# KiCad board poly_kb_molecule_4x5.kicad_pcb (continued)
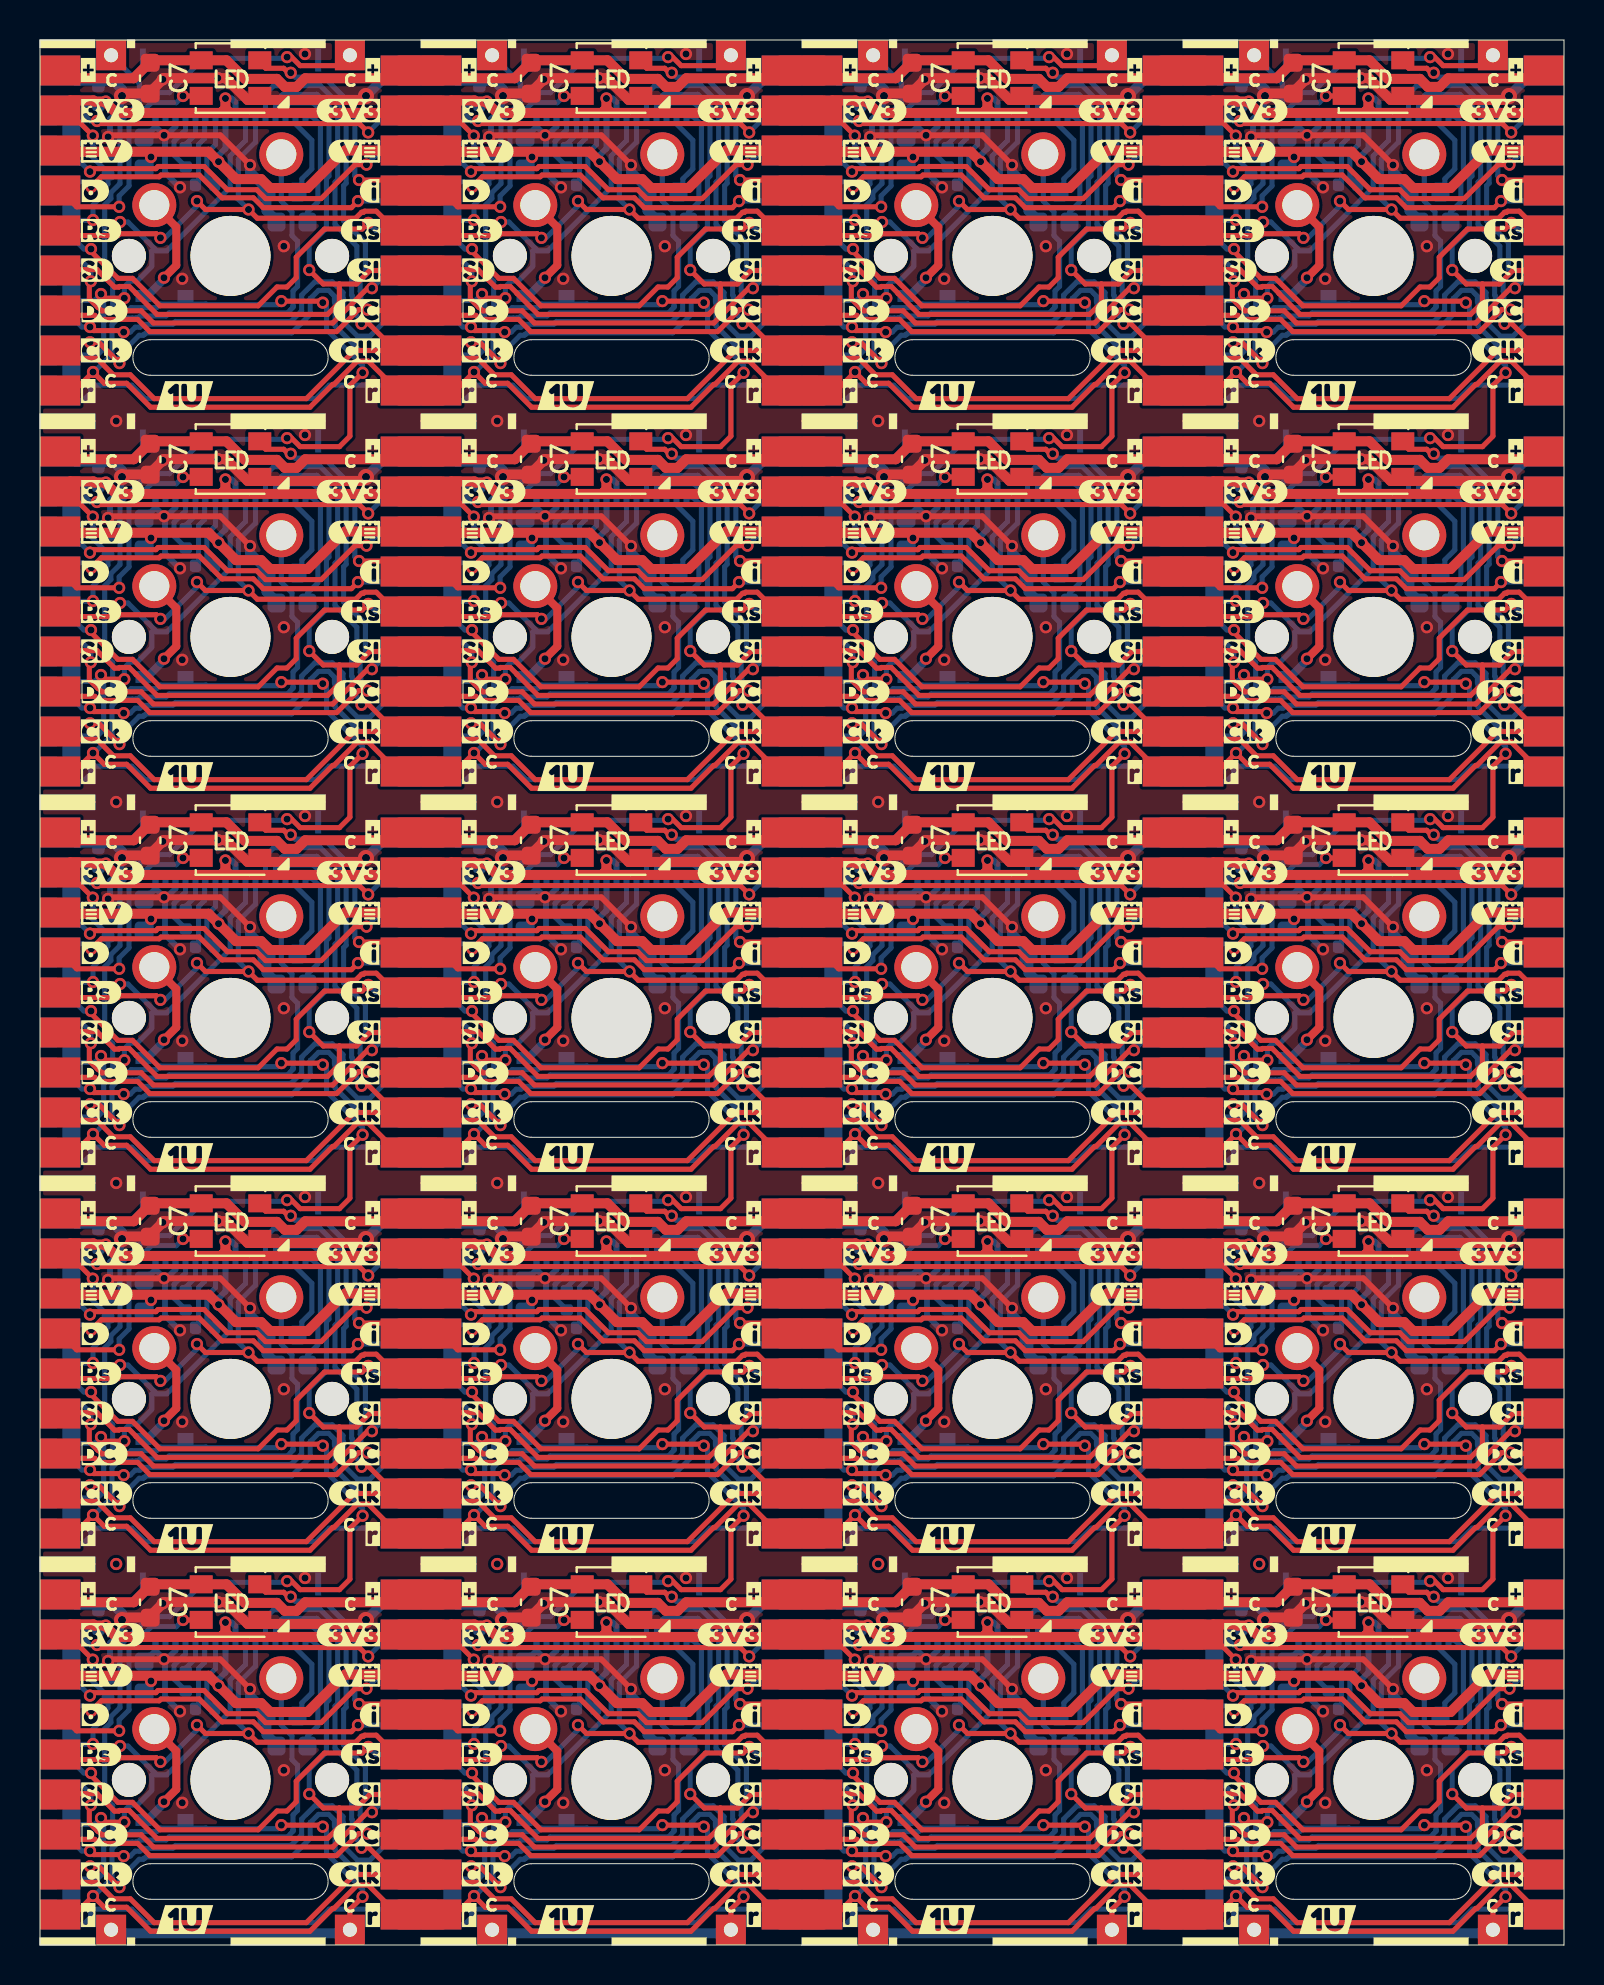
[diagram p0: board, top side]
## Placement (name value [footprint] x y rotation side) (continued)
kibuzzard-61EFA8F1#15  G***  [kibuzzard-61EFA8F1]  72.87 22.58 0 top
kibuzzard-61EFA8F1#16  G***  [kibuzzard-61EFA8F1]  53.82 3.53 0 top
kibuzzard-61EFA8F1#17  G***  [kibuzzard-61EFA8F1]  34.77 22.58 0 top
kibuzzard-61EFA8F1#18  G***  [kibuzzard-61EFA8F1]  72.87 3.53 0 top
kibuzzard-61EFA8F1#19  G***  [kibuzzard-61EFA8F1]  15.72 41.63 0 top
kibuzzard-61EFA8F1#20  G***  [kibuzzard-61EFA8F1]  15.72 60.68 0 top
kibuzzard-61EFAA6D  G***  [kibuzzard-61EFAA6D]  73.18 85.72 0 top
kibuzzard-61EFAA6D#2  G***  [kibuzzard-61EFAA6D]  16.03 28.58 0 top
kibuzzard-61EFAA6D#3  G***  [kibuzzard-61EFAA6D]  54.13 28.58 0 top
kibuzzard-61EFAA6D#4  G***  [kibuzzard-61EFAA6D]  54.13 66.67 0 top
kibuzzard-61EFAA6D#5  G***  [kibuzzard-61EFAA6D]  35.08 9.53 0 top
kibuzzard-61EFAA6D#6  G***  [kibuzzard-61EFAA6D]  16.03 47.62 0 top
kibuzzard-61EFAA6D#7  G***  [kibuzzard-61EFAA6D]  73.18 66.67 0 top
kibuzzard-61EFAA6D#8  G***  [kibuzzard-61EFAA6D]  54.13 9.53 0 top
kibuzzard-61EFAA6D#9  G***  [kibuzzard-61EFAA6D]  54.13 47.62 0 top
kibuzzard-61EFAA6D#10  G***  [kibuzzard-61EFAA6D]  35.08 28.58 0 top
kibuzzard-61EFAA6D#11  G***  [kibuzzard-61EFAA6D]  73.18 47.62 0 top
kibuzzard-61EFAA6D#12  G***  [kibuzzard-61EFAA6D]  73.18 9.53 0 top
kibuzzard-61EFAA6D#13  G***  [kibuzzard-61EFAA6D]  16.03 9.53 0 top
kibuzzard-61EFAA6D#14  G***  [kibuzzard-61EFAA6D]  35.08 66.67 0 top
kibuzzard-61EFAA6D#15  G***  [kibuzzard-61EFAA6D]  73.18 28.58 0 top
kibuzzard-61EFAA6D#16  G***  [kibuzzard-61EFAA6D]  35.08 85.72 0 top
kibuzzard-61EFAA6D#17  G***  [kibuzzard-61EFAA6D]  35.08 47.62 0 top
kibuzzard-61EFAA6D#18  G***  [kibuzzard-61EFAA6D]  54.13 85.72 0 top
kibuzzard-61EFAA6D#19  G***  [kibuzzard-61EFAA6D]  16.03 66.67 0 top
kibuzzard-61EFAA6D#20  G***  [kibuzzard-61EFAA6D]  16.03 85.72 0 top
kibuzzard-61EFABBF  G***  [kibuzzard-61EFABBF]  15.82 24.56 0 top
kibuzzard-61EFABBF#2  G***  [kibuzzard-61EFABBF]  34.87 81.71 0 top
kibuzzard-61EFABBF#3  G***  [kibuzzard-61EFABBF]  34.87 5.51 0 top
kibuzzard-61EFABBF#4  G***  [kibuzzard-61EFABBF]  53.92 43.61 0 top
kibuzzard-61EFABBF#5  G***  [kibuzzard-61EFABBF]  72.97 5.51 0 top
kibuzzard-61EFABBF#6  G***  [kibuzzard-61EFABBF]  15.82 43.61 0 top
kibuzzard-61EFABBF#7  G***  [kibuzzard-61EFABBF]  34.87 24.56 0 top
kibuzzard-61EFABBF#8  G***  [kibuzzard-61EFABBF]  53.92 81.71 0 top
kibuzzard-61EFABBF#9  G***  [kibuzzard-61EFABBF]  15.82 62.66 0 top
kibuzzard-61EFABBF#10  G***  [kibuzzard-61EFABBF]  72.97 62.66 0 top
kibuzzard-61EFABBF#11  G***  [kibuzzard-61EFABBF]  15.82 5.51 0 top
kibuzzard-61EFABBF#12  G***  [kibuzzard-61EFABBF]  72.97 43.61 0 top
kibuzzard-61EFABBF#13  G***  [kibuzzard-61EFABBF]  53.92 62.66 0 top
kibuzzard-61EFABBF#14  G***  [kibuzzard-61EFABBF]  15.82 81.71 0 top
kibuzzard-61EFABBF#15  G***  [kibuzzard-61EFABBF]  53.92 5.51 0 top
kibuzzard-61EFABBF#16  G***  [kibuzzard-61EFABBF]  34.87 62.66 0 top
kibuzzard-61EFABBF#17  G***  [kibuzzard-61EFABBF]  34.87 43.61 0 top
kibuzzard-61EFABBF#18  G***  [kibuzzard-61EFABBF]  72.97 81.71 0 top
kibuzzard-61EFABBF#19  G***  [kibuzzard-61EFABBF]  53.92 24.56 0 top
kibuzzard-61EFABBF#20  G***  [kibuzzard-61EFABBF]  72.97 24.56 0 top
kibuzzard-61EFACF9  G***  [kibuzzard-61EFACF9]  34.26 13.49 0 top
kibuzzard-61EFACF9#2  G***  [kibuzzard-61EFACF9]  53.31 51.59 0 top
kibuzzard-61EFACF9#3  G***  [kibuzzard-61EFACF9]  53.31 89.69 0 top
kibuzzard-61EFACF9#4  G***  [kibuzzard-61EFACF9]  53.31 32.54 0 top
kibuzzard-61EFACF9#5  G***  [kibuzzard-61EFACF9]  34.26 70.64 0 top
kibuzzard-61EFACF9#6  G***  [kibuzzard-61EFACF9]  72.36 32.54 0 top
kibuzzard-61EFACF9#7  G***  [kibuzzard-61EFACF9]  15.21 13.49 0 top
kibuzzard-61EFACF9#8  G***  [kibuzzard-61EFACF9]  72.36 13.49 0 top
kibuzzard-61EFACF9#9  G***  [kibuzzard-61EFACF9]  34.26 89.69 0 top
kibuzzard-61EFACF9#10  G***  [kibuzzard-61EFACF9]  34.26 51.59 0 top
kibuzzard-61EFACF9#11  G***  [kibuzzard-61EFACF9]  72.36 51.59 0 top
kibuzzard-61EFACF9#12  G***  [kibuzzard-61EFACF9]  15.21 89.69 0 top
kibuzzard-61EFACF9#13  G***  [kibuzzard-61EFACF9]  15.21 51.59 0 top
kibuzzard-61EFACF9#14  G***  [kibuzzard-61EFACF9]  15.21 32.54 0 top
kibuzzard-61EFACF9#15  G***  [kibuzzard-61EFACF9]  15.21 70.64 0 top
kibuzzard-61EFACF9#16  G***  [kibuzzard-61EFACF9]  53.31 13.49 0 top
kibuzzard-61EFACF9#17  G***  [kibuzzard-61EFACF9]  72.36 70.64 0 top
kibuzzard-61EFACF9#18  G***  [kibuzzard-61EFACF9]  53.31 70.64 0 top
kibuzzard-61EFACF9#19  G***  [kibuzzard-61EFACF9]  72.36 89.69 0 top
kibuzzard-61EFACF9#20  G***  [kibuzzard-61EFACF9]  34.26 32.54 0 top
kibuzzard-61EFBE2C  G***  [kibuzzard-61EFBE2C]  41.33 43.61 0 top
kibuzzard-61EFBE2C#2  G***  [kibuzzard-61EFBE2C]  3.23 62.66 0 top
kibuzzard-61EFBE2C#3  G***  [kibuzzard-61EFBE2C]  22.28 43.61 0 top
kibuzzard-61EFBE2C#4  G***  [kibuzzard-61EFBE2C]  3.23 5.51 0 top
kibuzzard-61EFBE2C#5  G***  [kibuzzard-61EFBE2C]  60.38 5.51 0 top
kibuzzard-61EFBE2C#6  G***  [kibuzzard-61EFBE2C]  3.23 43.61 0 top
kibuzzard-61EFBE2C#7  G***  [kibuzzard-61EFBE2C]  3.23 24.56 0 top
kibuzzard-61EFBE2C#8  G***  [kibuzzard-61EFBE2C]  3.23 81.71 0 top
kibuzzard-61EFBE2C#9  G***  [kibuzzard-61EFBE2C]  60.38 62.66 0 top
kibuzzard-61EFBE2C#10  G***  [kibuzzard-61EFBE2C]  60.38 24.56 0 top
kibuzzard-61EFBE2C#11  G***  [kibuzzard-61EFBE2C]  41.33 62.66 0 top
kibuzzard-61EFBE2C#12  G***  [kibuzzard-61EFBE2C]  60.38 43.61 0 top
kibuzzard-61EFBE2C#13  G***  [kibuzzard-61EFBE2C]  41.33 24.56 0 top
kibuzzard-61EFBE2C#14  G***  [kibuzzard-61EFBE2C]  22.28 5.51 0 top
kibuzzard-61EFBE2C#15  G***  [kibuzzard-61EFBE2C]  41.33 5.51 0 top
kibuzzard-61EFBE2C#16  G***  [kibuzzard-61EFBE2C]  22.28 81.71 0 top
kibuzzard-61EFBE2C#17  G***  [kibuzzard-61EFBE2C]  22.28 24.56 0 top
kibuzzard-61EFBE2C#18  G***  [kibuzzard-61EFBE2C]  60.38 81.71 0 top
kibuzzard-61EFBE2C#19  G***  [kibuzzard-61EFBE2C]  22.28 62.66 0 top
kibuzzard-61EFBE2C#20  G***  [kibuzzard-61EFBE2C]  41.33 81.71 0 top
kibuzzard-61EFBE3D  G***  [kibuzzard-61EFBE3D]  60.48 22.58 0 top
kibuzzard-61EFBE3D#2  G***  [kibuzzard-61EFBE3D]  3.33 60.68 0 top
kibuzzard-61EFBE3D#3  G***  [kibuzzard-61EFBE3D]  41.43 79.73 0 top
kibuzzard-61EFBE3D#4  G***  [kibuzzard-61EFBE3D]  22.38 41.63 0 top
kibuzzard-61EFBE3D#5  G***  [kibuzzard-61EFBE3D]  3.33 22.58 0 top
kibuzzard-61EFBE3D#6  G***  [kibuzzard-61EFBE3D]  41.43 22.58 0 top
kibuzzard-61EFBE3D#7  G***  [kibuzzard-61EFBE3D]  41.43 41.63 0 top
kibuzzard-61EFBE3D#8  G***  [kibuzzard-61EFBE3D]  22.38 22.58 0 top
kibuzzard-61EFBE3D#9  G***  [kibuzzard-61EFBE3D]  22.38 60.68 0 top
kibuzzard-61EFBE3D#10  G***  [kibuzzard-61EFBE3D]  41.43 3.53 0 top
kibuzzard-61EFBE3D#11  G***  [kibuzzard-61EFBE3D]  60.48 60.68 0 top
kibuzzard-61EFBE3D#12  G***  [kibuzzard-61EFBE3D]  3.33 3.53 0 top
kibuzzard-61EFBE3D#13  G***  [kibuzzard-61EFBE3D]  60.48 79.73 0 top
kibuzzard-61EFBE3D#14  G***  [kibuzzard-61EFBE3D]  22.38 3.53 0 top
kibuzzard-61EFBE3D#15  G***  [kibuzzard-61EFBE3D]  3.33 41.63 0 top
kibuzzard-61EFBE3D#16  G***  [kibuzzard-61EFBE3D]  22.38 79.73 0 top
kibuzzard-61EFBE3D#17  G***  [kibuzzard-61EFBE3D]  60.48 41.63 0 top
kibuzzard-61EFBE3D#18  G***  [kibuzzard-61EFBE3D]  3.33 79.73 0 top
kibuzzard-61EFBE3D#19  G***  [kibuzzard-61EFBE3D]  60.48 3.53 0 top
kibuzzard-61EFBE3D#20  G***  [kibuzzard-61EFBE3D]  41.43 60.68 0 top
kibuzzard-61EFBE21  G***  [kibuzzard-61EFBE21]  21.92 7.54 0 top
kibuzzard-61EFBE21#2  G***  [kibuzzard-61EFBE21]  21.92 45.64 0 top
kibuzzard-61EFBE21#3  G***  [kibuzzard-61EFBE21]  21.92 83.74 0 top
kibuzzard-61EFBE21#4  G***  [kibuzzard-61EFBE21]  21.92 26.59 0 top
kibuzzard-61EFBE21#5  G***  [kibuzzard-61EFBE21]  60.02 26.59 0 top
kibuzzard-61EFBE21#6  G***  [kibuzzard-61EFBE21]  60.02 83.74 0 top
kibuzzard-61EFBE21#7  G***  [kibuzzard-61EFBE21]  40.97 45.64 0 top
kibuzzard-61EFBE21#8  G***  [kibuzzard-61EFBE21]  40.97 26.59 0 top
kibuzzard-61EFBE21#9  G***  [kibuzzard-61EFBE21]  60.02 45.64 0 top
kibuzzard-61EFBE21#10  G***  [kibuzzard-61EFBE21]  40.97 64.69 0 top
kibuzzard-61EFBE21#11  G***  [kibuzzard-61EFBE21]  21.92 64.69 0 top
kibuzzard-61EFBE21#12  G***  [kibuzzard-61EFBE21]  2.87 7.54 0 top
kibuzzard-61EFBE21#13  G***  [kibuzzard-61EFBE21]  60.02 64.69 0 top
kibuzzard-61EFBE21#14  G***  [kibuzzard-61EFBE21]  2.87 26.59 0 top
kibuzzard-61EFBE21#15  G***  [kibuzzard-61EFBE21]  40.97 7.54 0 top
kibuzzard-61EFBE21#16  G***  [kibuzzard-61EFBE21]  2.87 83.74 0 top
kibuzzard-61EFBE21#17  G***  [kibuzzard-61EFBE21]  2.87 64.69 0 top
kibuzzard-61EFBE21#18  G***  [kibuzzard-61EFBE21]  2.87 45.64 0 top
kibuzzard-61EFBE21#19  G***  [kibuzzard-61EFBE21]  40.97 83.74 0 top
kibuzzard-61EFBE21#20  G***  [kibuzzard-61EFBE21]  60.02 7.54 0 top
kibuzzard-61EFBE87  G***  [kibuzzard-61EFBE87]  60.99 32.54 0 top
kibuzzard-61EFBE87#2  G***  [kibuzzard-61EFBE87]  41.94 70.64 0 top
kibuzzard-61EFBE87#3  G***  [kibuzzard-61EFBE87]  41.94 32.54 0 top
kibuzzard-61EFBE87#4  G***  [kibuzzard-61EFBE87]  60.99 13.49 0 top
kibuzzard-61EFBE87#5  G***  [kibuzzard-61EFBE87]  41.94 13.49 0 top
kibuzzard-61EFBE87#6  G***  [kibuzzard-61EFBE87]  60.99 89.69 0 top
kibuzzard-61EFBE87#7  G***  [kibuzzard-61EFBE87]  3.84 89.69 0 top
kibuzzard-61EFBE87#8  G***  [kibuzzard-61EFBE87]  60.99 70.64 0 top
kibuzzard-61EFBE87#9  G***  [kibuzzard-61EFBE87]  22.89 51.59 0 top
kibuzzard-61EFBE87#10  G***  [kibuzzard-61EFBE87]  22.89 32.54 0 top
kibuzzard-61EFBE87#11  G***  [kibuzzard-61EFBE87]  22.89 13.49 0 top
kibuzzard-61EFBE87#12  G***  [kibuzzard-61EFBE87]  60.99 51.59 0 top
kibuzzard-61EFBE87#13  G***  [kibuzzard-61EFBE87]  41.94 89.69 0 top
kibuzzard-61EFBE87#14  G***  [kibuzzard-61EFBE87]  3.84 70.64 0 top
kibuzzard-61EFBE87#15  G***  [kibuzzard-61EFBE87]  41.94 51.59 0 top
kibuzzard-61EFBE87#16  G***  [kibuzzard-61EFBE87]  3.84 32.54 0 top
kibuzzard-61EFBE87#17  G***  [kibuzzard-61EFBE87]  22.89 89.69 0 top
kibuzzard-61EFBE87#18  G***  [kibuzzard-61EFBE87]  3.84 51.59 0 top
kibuzzard-61EFBE87#19  G***  [kibuzzard-61EFBE87]  3.84 13.49 0 top
kibuzzard-61EFBE87#20  G***  [kibuzzard-61EFBE87]  22.89 70.64 0 top
kibuzzard-61EFD7F9  G***  [kibuzzard-61EFD7F9]  35.23 7.54 0 top
kibuzzard-61EFD7F9#2  G***  [kibuzzard-61EFD7F9]  54.28 26.59 0 top
kibuzzard-61EFD7F9#3  G***  [kibuzzard-61EFD7F9]  54.28 7.54 0 top
kibuzzard-61EFD7F9#4  G***  [kibuzzard-61EFD7F9]  16.18 26.59 0 top
kibuzzard-61EFD7F9#5  G***  [kibuzzard-61EFD7F9]  16.18 64.69 0 top
kibuzzard-61EFD7F9#6  G***  [kibuzzard-61EFD7F9]  35.23 45.64 0 top
kibuzzard-61EFD7F9#7  G***  [kibuzzard-61EFD7F9]  54.28 83.74 0 top
kibuzzard-61EFD7F9#8  G***  [kibuzzard-61EFD7F9]  73.33 26.59 0 top
kibuzzard-61EFD7F9#9  G***  [kibuzzard-61EFD7F9]  54.28 64.69 0 top
kibuzzard-61EFD7F9#10  G***  [kibuzzard-61EFD7F9]  16.18 83.74 0 top
kibuzzard-61EFD7F9#11  G***  [kibuzzard-61EFD7F9]  73.33 7.54 0 top
kibuzzard-61EFD7F9#12  G***  [kibuzzard-61EFD7F9]  73.33 45.64 0 top
kibuzzard-61EFD7F9#13  G***  [kibuzzard-61EFD7F9]  35.23 26.59 0 top
kibuzzard-61EFD7F9#14  G***  [kibuzzard-61EFD7F9]  35.23 83.74 0 top
kibuzzard-61EFD7F9#15  G***  [kibuzzard-61EFD7F9]  35.23 64.69 0 top
kibuzzard-61EFD7F9#16  G***  [kibuzzard-61EFD7F9]  73.33 83.74 0 top
kibuzzard-61EFD7F9#17  G***  [kibuzzard-61EFD7F9]  16.18 45.64 0 top
kibuzzard-61EFD7F9#18  G***  [kibuzzard-61EFD7F9]  16.18 7.54 0 top
kibuzzard-61EFD7F9#19  G***  [kibuzzard-61EFD7F9]  73.33 64.69 0 top
kibuzzard-61EFD7F9#20  G***  [kibuzzard-61EFD7F9]  54.28 45.64 0 top
kibuzzard-61EFD863  G***  [kibuzzard-61EFD863]  72.57 91.72 0 top
kibuzzard-61EFD863#2  G***  [kibuzzard-61EFD863]  34.47 53.62 0 top
kibuzzard-61EFD863#3  G***  [kibuzzard-61EFD863]  53.52 91.72 0 top
kibuzzard-61EFD863#4  G***  [kibuzzard-61EFD863]  34.47 91.72 0 top
kibuzzard-61EFD863#5  G***  [kibuzzard-61EFD863]  53.52 15.52 0 top
kibuzzard-61EFD863#6  G***  [kibuzzard-61EFD863]  15.42 34.57 0 top
kibuzzard-61EFD863#7  G***  [kibuzzard-61EFD863]  15.42 53.62 0 top
kibuzzard-61EFD863#8  G***  [kibuzzard-61EFD863]  15.42 15.52 0 top
kibuzzard-61EFD863#9  G***  [kibuzzard-61EFD863]  34.47 15.52 0 top
kibuzzard-61EFD863#10  G***  [kibuzzard-61EFD863]  34.47 72.67 0 top
kibuzzard-61EFD863#11  G***  [kibuzzard-61EFD863]  34.47 34.57 0 top
kibuzzard-61EFD863#12  G***  [kibuzzard-61EFD863]  15.42 91.72 0 top
kibuzzard-61EFD863#13  G***  [kibuzzard-61EFD863]  53.52 72.67 0 top
kibuzzard-61EFD863#14  G***  [kibuzzard-61EFD863]  15.42 72.67 0 top
kibuzzard-61EFD863#15  G***  [kibuzzard-61EFD863]  72.57 15.52 0 top
kibuzzard-61EFD863#16  G***  [kibuzzard-61EFD863]  72.57 34.57 0 top
kibuzzard-61EFD863#17  G***  [kibuzzard-61EFD863]  53.52 34.57 0 top
kibuzzard-61EFD863#18  G***  [kibuzzard-61EFD863]  72.57 72.67 0 top
kibuzzard-61EFD863#19  G***  [kibuzzard-61EFD863]  53.52 53.62 0 top
kibuzzard-61EFD863#20  G***  [kibuzzard-61EFD863]  72.57 53.62 0 top
kibuzzard-61EFD879  G***  [kibuzzard-61EFD879]  3.64 15.51 0 top
kibuzzard-61EFD879#2  G***  [kibuzzard-61EFD879]  3.64 34.56 0 top
kibuzzard-61EFD879#3  G***  [kibuzzard-61EFD879]  22.69 53.61 0 top
kibuzzard-61EFD879#4  G***  [kibuzzard-61EFD879]  3.64 53.61 0 top
kibuzzard-61EFD879#5  G***  [kibuzzard-61EFD879]  60.79 72.66 0 top
kibuzzard-61EFD879#6  G***  [kibuzzard-61EFD879]  3.64 72.66 0 top
kibuzzard-61EFD879#7  G***  [kibuzzard-61EFD879]  41.74 15.51 0 top
kibuzzard-61EFD879#8  G***  [kibuzzard-61EFD879]  41.74 72.66 0 top
kibuzzard-61EFD879#9  G***  [kibuzzard-61EFD879]  22.69 72.66 0 top
kibuzzard-61EFD879#10  G***  [kibuzzard-61EFD879]  22.69 34.56 0 top
kibuzzard-61EFD879#11  G***  [kibuzzard-61EFD879]  60.79 15.51 0 top
kibuzzard-61EFD879#12  G***  [kibuzzard-61EFD879]  60.79 91.71 0 top
kibuzzard-61EFD879#13  G***  [kibuzzard-61EFD879]  22.69 91.71 0 top
kibuzzard-61EFD879#14  G***  [kibuzzard-61EFD879]  60.79 34.56 0 top
kibuzzard-61EFD879#15  G***  [kibuzzard-61EFD879]  41.74 34.56 0 top
kibuzzard-61EFD879#16  G***  [kibuzzard-61EFD879]  60.79 53.61 0 top
kibuzzard-61EFD879#17  G***  [kibuzzard-61EFD879]  41.74 91.71 0 top
kibuzzard-61EFD879#18  G***  [kibuzzard-61EFD879]  3.64 91.71 0 top
kibuzzard-61EFD879#19  G***  [kibuzzard-61EFD879]  41.74 53.61 0 top
kibuzzard-61EFD879#20  G***  [kibuzzard-61EFD879]  22.69 15.51 0 top
kibuzzard-61EFD908  G***  [kibuzzard-61EFD908]  2.41 77.7 0 top
kibuzzard-61EFD908#2  G***  [kibuzzard-61EFD908]  35.69 20.55 0 top
kibuzzard-61EFD908#3  G***  [kibuzzard-61EFD908]  73.79 58.65 0 top
kibuzzard-61EFD908#4  G***  [kibuzzard-61EFD908]  35.69 77.7 0 top
kibuzzard-61EFD908#5  G***  [kibuzzard-61EFD908]  35.69 39.6 0 top
kibuzzard-61EFD908#6  G***  [kibuzzard-61EFD908]  54.74 20.55 0 top
kibuzzard-61EFD908#7  G***  [kibuzzard-61EFD908]  40.51 77.7 0 top
kibuzzard-61EFD908#8  G***  [kibuzzard-61EFD908]  54.74 39.6 0 top
kibuzzard-61EFD908#9  G***  [kibuzzard-61EFD908]  73.79 77.7 0 top
kibuzzard-61EFD908#10  G***  [kibuzzard-61EFD908]  35.69 1.5 0 top
kibuzzard-61EFD908#11  G***  [kibuzzard-61EFD908]  40.51 39.6 0 top
kibuzzard-61EFD908#12  G***  [kibuzzard-61EFD908]  59.56 58.65 0 top
kibuzzard-61EFD908#13  G***  [kibuzzard-61EFD908]  40.51 20.55 0 top
kibuzzard-61EFD908#14  G***  [kibuzzard-61EFD908]  73.79 20.55 0 top
kibuzzard-61EFD908#15  G***  [kibuzzard-61EFD908]  73.79 1.5 0 top
kibuzzard-61EFD908#16  G***  [kibuzzard-61EFD908]  21.46 1.5 0 top
kibuzzard-61EFD908#17  G***  [kibuzzard-61EFD908]  16.64 58.65 0 top
kibuzzard-61EFD908#18  G***  [kibuzzard-61EFD908]  16.64 1.5 0 top
kibuzzard-61EFD908#19  G***  [kibuzzard-61EFD908]  40.51 58.65 0 top
kibuzzard-61EFD908#20  G***  [kibuzzard-61EFD908]  2.41 20.55 0 top
kibuzzard-61EFD908#21  G***  [kibuzzard-61EFD908]  2.41 39.6 0 top
kibuzzard-61EFD908#22  G***  [kibuzzard-61EFD908]  59.56 1.5 0 top
kibuzzard-61EFD908#23  G***  [kibuzzard-61EFD908]  54.74 58.65 0 top
kibuzzard-61EFD908#24  G***  [kibuzzard-61EFD908]  21.46 39.6 0 top
kibuzzard-61EFD908#25  G***  [kibuzzard-61EFD908]  21.46 58.65 0 top
kibuzzard-61EFD908#26  G***  [kibuzzard-61EFD908]  16.64 20.55 0 top
kibuzzard-61EFD908#27  G***  [kibuzzard-61EFD908]  16.64 77.7 0 top
kibuzzard-61EFD908#28  G***  [kibuzzard-61EFD908]  40.51 1.5 0 top
kibuzzard-61EFD908#29  G***  [kibuzzard-61EFD908]  21.46 20.55 0 top
kibuzzard-61EFD908#30  G***  [kibuzzard-61EFD908]  2.41 58.65 0 top
kibuzzard-61EFD908#31  G***  [kibuzzard-61EFD908]  59.56 39.6 0 top
kibuzzard-61EFD908#32  G***  [kibuzzard-61EFD908]  16.64 39.6 0 top
kibuzzard-61EFD908#33  G***  [kibuzzard-61EFD908]  21.46 77.7 0 top
kibuzzard-61EFD908#34  G***  [kibuzzard-61EFD908]  54.74 1.5 0 top
kibuzzard-61EFD908#35  G***  [kibuzzard-61EFD908]  54.74 77.7 0 top
kibuzzard-61EFD908#36  G***  [kibuzzard-61EFD908]  35.69 58.65 0 top
kibuzzard-61EFD908#37  G***  [kibuzzard-61EFD908]  59.56 77.7 0 top
kibuzzard-61EFD908#38  G***  [kibuzzard-61EFD908]  73.79 39.6 0 top
kibuzzard-61EFD908#39  G***  [kibuzzard-61EFD908]  2.41 1.5 0 top
kibuzzard-61EFD908#40  G***  [kibuzzard-61EFD908]  59.56 20.55 0 top
kibuzzard-61EFD947  G***  [kibuzzard-61EFD947]  35.69 36.6 0 top
kibuzzard-61EFD947#2  G***  [kibuzzard-61EFD947]  16.64 36.6 0 top
kibuzzard-61EFD947#3  G***  [kibuzzard-61EFD947]  40.51 17.55 0 top
kibuzzard-61EFD947#4  G***  [kibuzzard-61EFD947]  40.51 36.6 0 top
kibuzzard-61EFD947#5  G***  [kibuzzard-61EFD947]  59.56 93.75 0 top
kibuzzard-61EFD947#6  G***  [kibuzzard-61EFD947]  54.74 17.55 0 top
kibuzzard-61EFD947#7  G***  [kibuzzard-61EFD947]  35.69 55.65 0 top
kibuzzard-61EFD947#8  G***  [kibuzzard-61EFD947]  40.51 93.75 0 top
kibuzzard-61EFD947#9  G***  [kibuzzard-61EFD947]  59.56 55.65 0 top
kibuzzard-61EFD947#10  G***  [kibuzzard-61EFD947]  40.51 74.7 0 top
kibuzzard-61EFD947#11  G***  [kibuzzard-61EFD947]  2.41 36.6 0 top
kibuzzard-61EFD947#12  G***  [kibuzzard-61EFD947]  21.46 17.55 0 top
kibuzzard-61EFD947#13  G***  [kibuzzard-61EFD947]  16.64 55.65 0 top
kibuzzard-61EFD947#14  G***  [kibuzzard-61EFD947]  73.79 17.55 0 top
kibuzzard-61EFD947#15  G***  [kibuzzard-61EFD947]  21.46 36.6 0 top
kibuzzard-61EFD947#16  G***  [kibuzzard-61EFD947]  16.64 74.7 0 top
kibuzzard-61EFD947#17  G***  [kibuzzard-61EFD947]  35.69 93.75 0 top
kibuzzard-61EFD947#18  G***  [kibuzzard-61EFD947]  59.56 17.55 0 top
kibuzzard-61EFD947#19  G***  [kibuzzard-61EFD947]  16.64 93.75 0 top
kibuzzard-61EFD947#20  G***  [kibuzzard-61EFD947]  73.79 36.6 0 top
kibuzzard-61EFD947#21  G***  [kibuzzard-61EFD947]  40.51 55.65 0 top
kibuzzard-61EFD947#22  G***  [kibuzzard-61EFD947]  21.46 74.7 0 top
kibuzzard-61EFD947#23  G***  [kibuzzard-61EFD947]  16.64 17.55 0 top
kibuzzard-61EFD947#24  G***  [kibuzzard-61EFD947]  35.69 74.7 0 top
kibuzzard-61EFD947#25  G***  [kibuzzard-61EFD947]  59.56 74.7 0 top
kibuzzard-61EFD947#26  G***  [kibuzzard-61EFD947]  21.46 55.65 0 top
kibuzzard-61EFD947#27  G***  [kibuzzard-61EFD947]  73.79 74.7 0 top
kibuzzard-61EFD947#28  G***  [kibuzzard-61EFD947]  2.41 17.55 0 top
kibuzzard-61EFD947#29  G***  [kibuzzard-61EFD947]  2.41 55.65 0 top
kibuzzard-61EFD947#30  G***  [kibuzzard-61EFD947]  54.74 74.7 0 top
kibuzzard-61EFD947#31  G***  [kibuzzard-61EFD947]  59.56 36.6 0 top
kibuzzard-61EFD947#32  G***  [kibuzzard-61EFD947]  54.74 55.65 0 top
kibuzzard-61EFD947#33  G***  [kibuzzard-61EFD947]  35.69 17.55 0 top
kibuzzard-61EFD947#34  G***  [kibuzzard-61EFD947]  54.74 36.6 0 top
kibuzzard-61EFD947#35  G***  [kibuzzard-61EFD947]  2.41 93.75 0 top
kibuzzard-61EFD947#36  G***  [kibuzzard-61EFD947]  73.79 55.65 0 top
kibuzzard-61EFD947#37  G***  [kibuzzard-61EFD947]  54.74 93.75 0 top
kibuzzard-61EFD947#38  G***  [kibuzzard-61EFD947]  2.41 74.7 0 top
kibuzzard-61EFD947#39  G***  [kibuzzard-61EFD947]  73.79 93.75 0 top
kibuzzard-61EFD947#40  G***  [kibuzzard-61EFD947]  21.46 93.75 0 top
kibuzzard-61EFDAA0  G***  [kibuzzard-61EFDAA0]  21.82 30.56 0 top
kibuzzard-61EFDAA0#2  G***  [kibuzzard-61EFDAA0]  40.87 68.66 0 top
kibuzzard-61EFDAA0#3  G***  [kibuzzard-61EFDAA0]  21.82 11.51 0 top
kibuzzard-61EFDAA0#4  G***  [kibuzzard-61EFDAA0]  59.92 11.51 0 top
kibuzzard-61EFDAA0#5  G***  [kibuzzard-61EFDAA0]  2.77 11.51 0 top
kibuzzard-61EFDAA0#6  G***  [kibuzzard-61EFDAA0]  40.87 30.56 0 top
kibuzzard-61EFDAA0#7  G***  [kibuzzard-61EFDAA0]  59.92 49.61 0 top
kibuzzard-61EFDAA0#8  G***  [kibuzzard-61EFDAA0]  40.87 87.71 0 top
kibuzzard-61EFDAA0#9  G***  [kibuzzard-61EFDAA0]  40.87 49.61 0 top
kibuzzard-61EFDAA0#10  G***  [kibuzzard-61EFDAA0]  2.77 87.71 0 top
kibuzzard-61EFDAA0#11  G***  [kibuzzard-61EFDAA0]  21.82 68.66 0 top
kibuzzard-61EFDAA0#12  G***  [kibuzzard-61EFDAA0]  40.87 11.51 0 top
kibuzzard-61EFDAA0#13  G***  [kibuzzard-61EFDAA0]  59.92 30.56 0 top
kibuzzard-61EFDAA0#14  G***  [kibuzzard-61EFDAA0]  59.92 68.66 0 top
kibuzzard-61EFDAA0#15  G***  [kibuzzard-61EFDAA0]  2.77 30.56 0 top
kibuzzard-61EFDAA0#16  G***  [kibuzzard-61EFDAA0]  59.92 87.71 0 top
kibuzzard-61EFDAA0#17  G***  [kibuzzard-61EFDAA0]  21.82 49.61 0 top
kibuzzard-61EFDAA0#18  G***  [kibuzzard-61EFDAA0]  2.77 68.66 0 top
kibuzzard-61EFDAA0#19  G***  [kibuzzard-61EFDAA0]  2.77 49.61 0 top
kibuzzard-61EFDAA0#20  G***  [kibuzzard-61EFDAA0]  21.82 87.71 0 top
kibuzzard-61EFDAC6  G***  [kibuzzard-61EFDAC6]  35.64 49.61 0 top
kibuzzard-61EFDAC6#2  G***  [kibuzzard-61EFDAC6]  73.74 11.51 0 top
kibuzzard-61EFDAC6#3  G***  [kibuzzard-61EFDAC6]  16.59 87.71 0 top
kibuzzard-61EFDAC6#4  G***  [kibuzzard-61EFDAC6]  73.74 68.66 0 top
kibuzzard-61EFDAC6#5  G***  [kibuzzard-61EFDAC6]  16.59 49.61 0 top
kibuzzard-61EFDAC6#6  G***  [kibuzzard-61EFDAC6]  35.64 87.71 0 top
kibuzzard-61EFDAC6#7  G***  [kibuzzard-61EFDAC6]  54.69 11.51 0 top
kibuzzard-61EFDAC6#8  G***  [kibuzzard-61EFDAC6]  54.69 49.61 0 top
kibuzzard-61EFDAC6#9  G***  [kibuzzard-61EFDAC6]  16.59 68.66 0 top
kibuzzard-61EFDAC6#10  G***  [kibuzzard-61EFDAC6]  16.59 30.56 0 top
kibuzzard-61EFDAC6#11  G***  [kibuzzard-61EFDAC6]  54.69 68.66 0 top
kibuzzard-61EFDAC6#12  G***  [kibuzzard-61EFDAC6]  73.74 87.71 0 top
kibuzzard-61EFDAC6#13  G***  [kibuzzard-61EFDAC6]  35.64 30.56 0 top
kibuzzard-61EFDAC6#14  G***  [kibuzzard-61EFDAC6]  35.64 11.51 0 top
kibuzzard-61EFDAC6#15  G***  [kibuzzard-61EFDAC6]  73.74 49.61 0 top
kibuzzard-61EFDAC6#16  G***  [kibuzzard-61EFDAC6]  35.64 68.66 0 top
kibuzzard-61EFDAC6#17  G***  [kibuzzard-61EFDAC6]  73.74 30.56 0 top
kibuzzard-61EFDAC6#18  G***  [kibuzzard-61EFDAC6]  54.69 30.56 0 top
kibuzzard-61EFDAC6#19  G***  [kibuzzard-61EFDAC6]  54.69 87.71 0 top
kibuzzard-61EFDAC6#20  G***  [kibuzzard-61EFDAC6]  16.59 11.51 0 top
kibuzzard-61EFDAEE  G***  [kibuzzard-61EFDAEE]  3.05 9.53 0 top
kibuzzard-61EFDAEE#2  G***  [kibuzzard-61EFDAEE]  60.2 9.53 0 top
kibuzzard-61EFDAEE#3  G***  [kibuzzard-61EFDAEE]  22.1 66.68 0 top
kibuzzard-61EFDAEE#4  G***  [kibuzzard-61EFDAEE]  41.15 85.73 0 top
kibuzzard-61EFDAEE#5  G***  [kibuzzard-61EFDAEE]  41.15 66.68 0 top
kibuzzard-61EFDAEE#6  G***  [kibuzzard-61EFDAEE]  22.1 28.58 0 top
kibuzzard-61EFDAEE#7  G***  [kibuzzard-61EFDAEE]  22.1 85.73 0 top
kibuzzard-61EFDAEE#8  G***  [kibuzzard-61EFDAEE]  3.05 66.68 0 top
kibuzzard-61EFDAEE#9  G***  [kibuzzard-61EFDAEE]  60.2 85.73 0 top
kibuzzard-61EFDAEE#10  G***  [kibuzzard-61EFDAEE]  22.1 9.53 0 top
kibuzzard-61EFDAEE#11  G***  [kibuzzard-61EFDAEE]  3.05 28.58 0 top
kibuzzard-61EFDAEE#12  G***  [kibuzzard-61EFDAEE]  60.2 66.68 0 top
kibuzzard-61EFDAEE#13  G***  [kibuzzard-61EFDAEE]  3.05 47.63 0 top
kibuzzard-61EFDAEE#14  G***  [kibuzzard-61EFDAEE]  60.2 28.58 0 top
kibuzzard-61EFDAEE#15  G***  [kibuzzard-61EFDAEE]  3.05 85.73 0 top
kibuzzard-61EFDAEE#16  G***  [kibuzzard-61EFDAEE]  41.15 47.63 0 top
kibuzzard-61EFDAEE#17  G***  [kibuzzard-61EFDAEE]  41.15 28.58 0 top
kibuzzard-61EFDAEE#18  G***  [kibuzzard-61EFDAEE]  41.15 9.53 0 top
kibuzzard-61EFDAEE#19  G***  [kibuzzard-61EFDAEE]  22.1 47.63 0 top
kibuzzard-61EFDAEE#20  G***  [kibuzzard-61EFDAEE]  60.2 47.63 0 top
kibuzzard-61EFDD1E  G***  [kibuzzard-61EFDD1E]  64.39 1.27 0 top
kibuzzard-61EFDD1E#2  G***  [kibuzzard-61EFDD1E]  64.39 58.42 0 top
kibuzzard-61EFDD1E#3  G***  [kibuzzard-61EFDD1E]  7.24 39.37 0 top
kibuzzard-61EFDD1E#4  G***  [kibuzzard-61EFDD1E]  7.24 77.47 0 top
kibuzzard-61EFDD1E#5  G***  [kibuzzard-61EFDD1E]  26.29 20.32 0 top
kibuzzard-61EFDD1E#6  G***  [kibuzzard-61EFDD1E]  26.29 58.42 0 top
kibuzzard-61EFDD1E#7  G***  [kibuzzard-61EFDD1E]  45.34 77.47 0 top
kibuzzard-61EFDD1E#8  G***  [kibuzzard-61EFDD1E]  7.24 20.32 0 top
kibuzzard-61EFDD1E#9  G***  [kibuzzard-61EFDD1E]  64.39 77.47 0 top
kibuzzard-61EFDD1E#10  G***  [kibuzzard-61EFDD1E]  26.29 1.27 0 top
kibuzzard-61EFDD1E#11  G***  [kibuzzard-61EFDD1E]  45.34 20.32 0 top
kibuzzard-61EFDD1E#12  G***  [kibuzzard-61EFDD1E]  64.39 39.37 0 top
kibuzzard-61EFDD1E#13  G***  [kibuzzard-61EFDD1E]  7.24 58.42 0 top
kibuzzard-61EFDD1E#14  G***  [kibuzzard-61EFDD1E]  64.39 20.32 0 top
kibuzzard-61EFDD1E#15  G***  [kibuzzard-61EFDD1E]  45.34 58.42 0 top
kibuzzard-61EFDD1E#16  G***  [kibuzzard-61EFDD1E]  45.34 1.27 0 top
kibuzzard-61EFDD1E#17  G***  [kibuzzard-61EFDD1E]  7.24 1.27 0 top
kibuzzard-61EFDD1E#18  G***  [kibuzzard-61EFDD1E]  26.29 77.47 0 top
kibuzzard-61EFDD1E#19  G***  [kibuzzard-61EFDD1E]  26.29 39.37 0 top
kibuzzard-61EFDD1E#20  G***  [kibuzzard-61EFDD1E]  45.34 39.37 0 top
LED1  -  [WS2812B-Mini]  9.52 93.34 0 top
LED1#2  -  [WS2812B-Mini]  66.67 36.19 0 top
LED1#3  -  [WS2812B-Mini]  66.67 55.24 0 top
LED1#4  -  [WS2812B-Mini]  28.58 55.24 0 top
LED1#5  -  [WS2812B-Mini]  9.52 55.24 0 top
LED1#6  -  [WS2812B-Mini]  47.62 36.19 0 top
LED1#7  -  [WS2812B-Mini]  9.52 36.19 0 top
LED1#8  -  [WS2812B-Mini]  47.62 17.15 0 top
LED1#9  -  [WS2812B-Mini]  9.52 17.15 0 top
LED1#10  -  [WS2812B-Mini]  66.67 93.34 0 top
LED1#11  -  [WS2812B-Mini]  28.58 36.19 0 top
LED1#12  -  [WS2812B-Mini]  47.62 93.34 0 top
LED1#13  -  [WS2812B-Mini]  66.67 17.15 0 top
LED1#14  -  [WS2812B-Mini]  47.62 74.3 0 top
LED1#15  -  [WS2812B-Mini]  66.67 74.3 0 top
LED1#16  -  [WS2812B-Mini]  9.52 74.3 0 top
LED1#17  -  [WS2812B-Mini]  28.58 17.15 0 top
LED1#18  -  [WS2812B-Mini]  47.62 55.24 0 top
LED1#19  -  [WS2812B-Mini]  28.58 74.3 0 top
LED1#20  -  [WS2812B-Mini]  28.58 93.34 0 top
R1  1M  [R_0402_1005Metric]  3.4 12.81 270 bottom
R1#2  1M  [R_0402_1005Metric]  3.4 31.86 270 bottom
R1#3  1M  [R_0402_1005Metric]  41.5 50.91 270 bottom
R1#4  1M  [R_0402_1005Metric]  22.45 12.81 270 bottom
R1#5  1M  [R_0402_1005Metric]  22.45 69.96 270 bottom
R1#6  1M  [R_0402_1005Metric]  22.45 50.91 270 bottom
R1#7  1M  [R_0402_1005Metric]  3.4 50.91 270 bottom
R1#8  1M  [R_0402_1005Metric]  41.5 89.01 270 bottom
R1#9  1M  [R_0402_1005Metric]  60.55 50.91 270 bottom
R1#10  1M  [R_0402_1005Metric]  60.55 69.96 270 bottom
R1#11  1M  [R_0402_1005Metric]  22.45 89.01 270 bottom
R1#12  1M  [R_0402_1005Metric]  60.55 89.01 270 bottom
R1#13  1M  [R_0402_1005Metric]  3.4 69.96 270 bottom
R1#14  1M  [R_0402_1005Metric]  41.5 12.81 270 bottom
R1#15  1M  [R_0402_1005Metric]  41.5 69.96 270 bottom
R1#16  1M  [R_0402_1005Metric]  3.4 89.01 270 bottom
R1#17  1M  [R_0402_1005Metric]  22.45 31.86 270 bottom
R1#18  1M  [R_0402_1005Metric]  60.55 12.81 270 bottom
R1#19  1M  [R_0402_1005Metric]  60.55 31.86 270 bottom
R1#20  1M  [R_0402_1005Metric]  41.5 31.86 270 bottom
SW1  SW_Push  [SW_Cherry_MX_1.00u_PCB_NoSilk]  12.06 89.53 0 top
SW1#2  SW_Push  [SW_Cherry_MX_1.00u_PCB_NoSilk]  12.06 70.48 0 top
SW1#3  SW_Push  [SW_Cherry_MX_1.00u_PCB_NoSilk]  50.16 32.38 0 top
SW1#4  SW_Push  [SW_Cherry_MX_1.00u_PCB_NoSilk]  31.11 32.38 0 top
SW1#5  SW_Push  [SW_Cherry_MX_1.00u_PCB_NoSilk]  12.06 13.34 0 top
SW1#6  SW_Push  [SW_Cherry_MX_1.00u_PCB_NoSilk]  12.06 32.38 0 top
SW1#7  SW_Push  [SW_Cherry_MX_1.00u_PCB_NoSilk]  69.22 51.44 0 top
SW1#8  SW_Push  [SW_Cherry_MX_1.00u_PCB_NoSilk]  31.11 70.48 0 top
SW1#9  SW_Push  [SW_Cherry_MX_1.00u_PCB_NoSilk]  69.22 89.53 0 top
SW1#10  SW_Push  [SW_Cherry_MX_1.00u_PCB_NoSilk]  69.22 32.38 0 top
SW1#11  SW_Push  [SW_Cherry_MX_1.00u_PCB_NoSilk]  31.11 89.53 0 top
SW1#12  SW_Push  [SW_Cherry_MX_1.00u_PCB_NoSilk]  12.06 51.44 0 top
SW1#13  SW_Push  [SW_Cherry_MX_1.00u_PCB_NoSilk]  69.22 70.48 0 top
SW1#14  SW_Push  [SW_Cherry_MX_1.00u_PCB_NoSilk]  69.22 13.34 0 top
SW1#15  SW_Push  [SW_Cherry_MX_1.00u_PCB_NoSilk]  50.16 51.44 0 top
SW1#16  SW_Push  [SW_Cherry_MX_1.00u_PCB_NoSilk]  50.16 70.48 0 top
SW1#17  SW_Push  [SW_Cherry_MX_1.00u_PCB_NoSilk]  31.11 13.34 0 top
SW1#18  SW_Push  [SW_Cherry_MX_1.00u_PCB_NoSilk]  31.11 51.44 0 top
SW1#19  SW_Push  [SW_Cherry_MX_1.00u_PCB_NoSilk]  50.16 89.53 0 top
SW1#20  SW_Push  [SW_Cherry_MX_1.00u_PCB_NoSilk]  50.16 13.34 0 top

## Library data of the parts
C1 C1#2-C1#20 C2 C2#2-C2#20 = -: LCSC: C23630
C3 C3#2-C3#20 C5 C5#2-C5#20 C6 C6#2-C6#20 = -: LCSC: C52923
C4 C4#2-C4#20 C7 C7#2-C7#20 = -: LCSC: C19666
D1 D1#2-D1#20 = -: LCSC: C169468
J1 J1#2-J1#20 = -: LCSC: C561388
LED1 LED1#2-LED1#20 = -: LCSC: C527089

## Footprints (pads in the part's own frame, mm; a bottom-side part is the same pattern mirrored in y, then rotated)
AtomConnect2
  rect 1.5x2 smd: 1(-8,0) 2(-6,0) 3(-4,0) 4(-2,0) 5(0,0) 6(2,0) 7(4,0) 8(6,0) 9(8,0)
AtomConnectCS
  rect 1.5x2 smd: 1(-8,0)
  custom 1.5x2 smd: 2(-6,0.5) 3(-4,0.5) 4(-2,0.5) 5(0,0.5) 6(2,0.5) 7(4,0.5) 8(6,0.5) 9(8,0.5)
  custom 2.3x0.9 smd: 10(-5.5,-0.75) 10(-1.5,-0.75) 10(2.5,-0.75) 10(6.5,-0.75)
C_0402_1005Metric
  rrect 0.56x0.62 smd: 1(-0.48,0) 2(0.48,0)
C_0603_1608Metric
  rrect 0.9x0.95 smd: 1(-0.775,0) 2(0.775,0)
D_SOD-323Ext
  rect 0.8x0.6 smd: 1(-1.05,0) 2(1.05,0)
FPC_16_JUSHUO_AFC05_S16FIA_00
  rect 0.3x1.15 smd: 0(-4.385,-2.81) 0(4.385,-2.81)
  rect 0.3x0.65 smd: 1(-3.75,0) 2(-3.25,0) 3(-2.75,0) 4(-2.25,0) 5(-1.75,0) 6(-1.25,0) 7(-0.75,0) 8(-0.25,0) 9(0.25,0) 10(0.75,0) 11(1.25,0) 12(1.75,0) 13(2.25,0) 14(2.75,0) 15(3.25,0) 16(3.75,0)
R_0402_1005Metric
  rrect 0.54x0.64 smd: 1(-0.51,0) 2(0.51,0)
SW_Cherry_MX_1.00u_PCB_NoSilk
  round 1.7 hole 1.7 unplated: (-7.62,-5.08) (2.54,-5.08)
  round 4 hole 4 unplated: (-2.54,-5.08)
  round 2.2 hole 1.5: 1(0,0) 2(-6.35,-2.54)
TestPoin_1.5x1.5mm_Drill0.7mm
  rect 1.5x1.5 hole 0.7: 1(0,0)
WS2812B-Mini
  rect 1.15x0.9 smd: 1(-1.465,0.89) 2(-1.465,-0.89) 3(1.465,-0.89) 4(1.465,0.89)

## Nets
/Keyboard/sheet605ED2EB/3V3: C3.1 C3#2.1 C3#3.1 C3#4.1 C3#5.1 C3#6.1 C3#7.1 C3#8.1 C3#9.1 C3#10.1 C3#11.1 C3#12.1 C3#13.1 C3#14.1 C3#15.1 C3#16.1 C3#17.1 C3#18.1 C3#19.1 C3#20.1 J1.9 J1#2.9 J1#3.9 J1#4.9 J1#5.9 J1#6.9 J1#7.9 J1#8.9 J1#9.9 J1#10.9 J1#11.9 J1#12.9 J1#13.9 J1#14.9 J1#15.9 J1#16.9 J1#17.9 J1#18.9 J1#19.9 J1#20.9 J3.2 J3#2.2 J3#3.2 J3#4.2 J3#5.2 J3#6.2 J3#7.2 J3#8.2 J3#9.2 J3#10.2 J3#11.2 J3#12.2 J3#13.2 J3#14.2 J3#15.2 J3#16.2 J3#17.2 J3#18.2 J3#19.2 J3#20.2 J4.2 J4#2.2 J4#3.2 J4#4.2 J4#5.2 J4#6.2 J4#7.2 J4#8.2 J4#9.2 J4#10.2 J4#11.2 J4#12.2 J4#13.2 J4#14.2 J4#15.2 J4#16.2 J4#17.2 J4#18.2 J4#19.2 J4#20.2 R1.1 R1#2.1 R1#3.1 R1#4.1 R1#5.1 R1#6.1 R1#7.1 R1#8.1 R1#9.1 R1#10.1 R1#11.1 R1#12.1 R1#13.1 R1#14.1 R1#15.1 R1#16.1 R1#17.1 R1#18.1 R1#19.1 R1#20.1
